# Altium PCB LM-003.PcbDoc (part 2 of 2)
Units mm, origin at the board's own origin, x right, y up, seen from the top; angles counter-clockwise.
Board outline 77.62 x 215.9 mm, 4 copper layers (Top Layer, +5V, Mid-Layer 2, Bottom Layer), stack 0.778 mm thick; 180 components, 143 nets, 700 pads, 27 vias.
Unrouted connection lines stored in the file: 179.
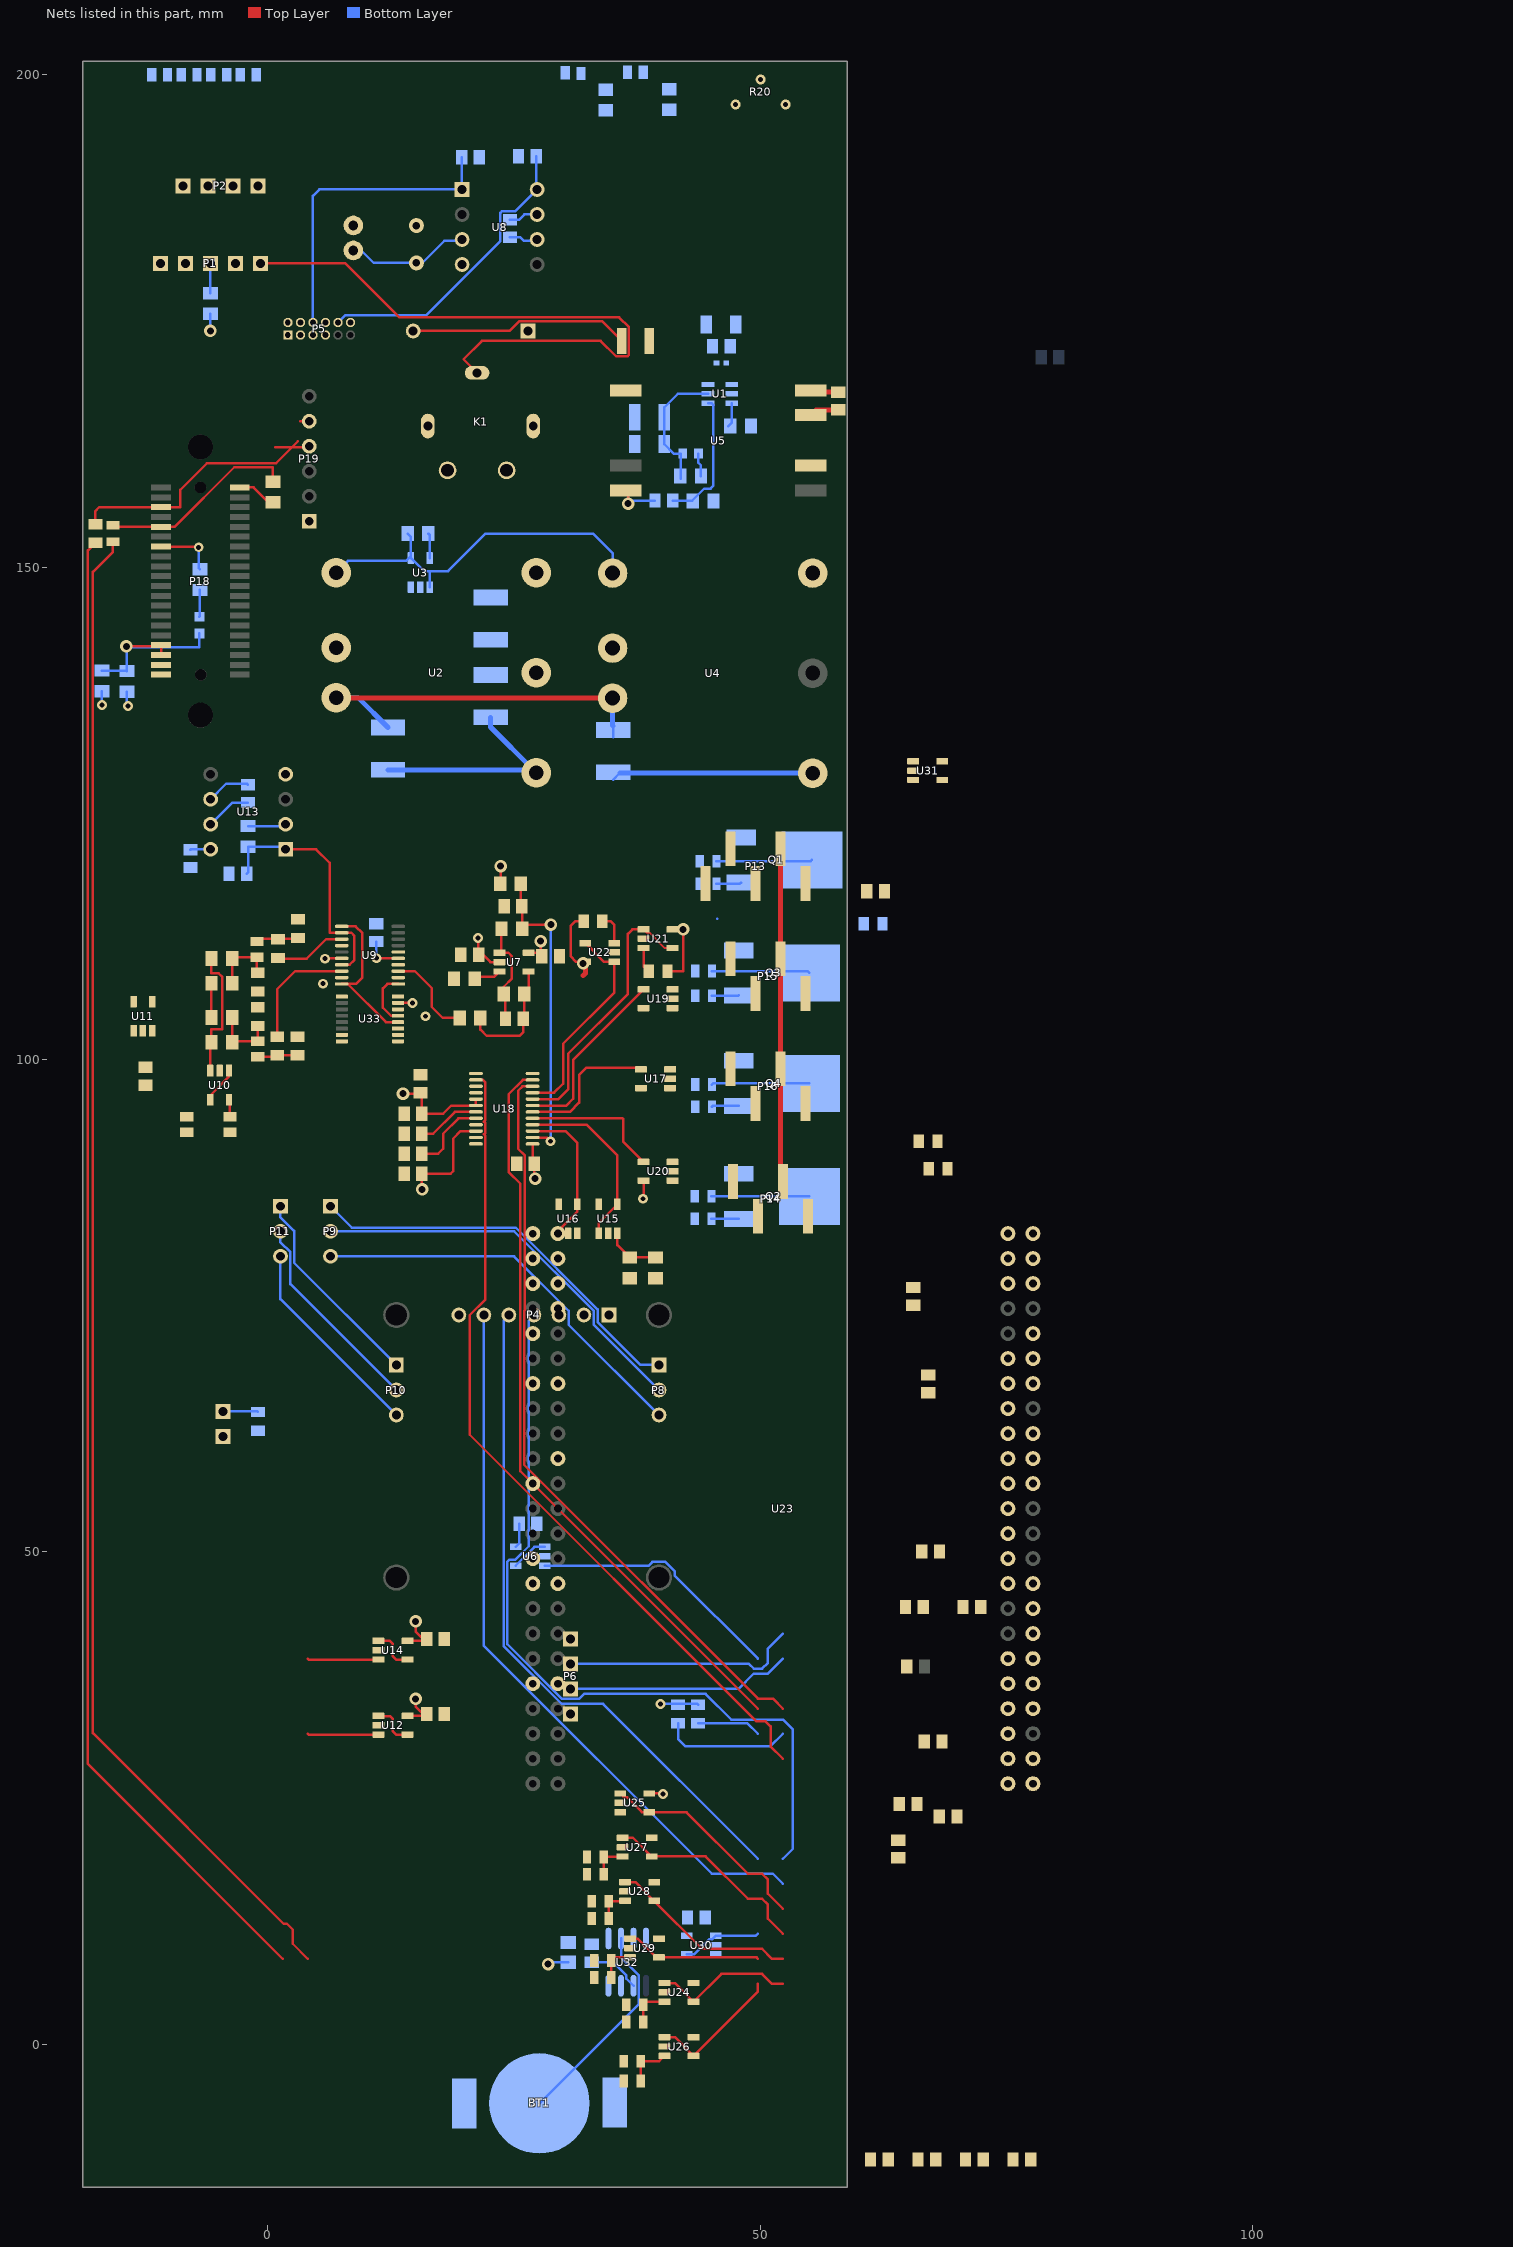
[diagram p3: the nets of this part, all layers, seen from the top]

## Part data (continued)
R9: library part CMP-1013-00017-1, Manufacturer="Vishay Dale", Manufacturer Part Number=CRCW0805300KFKEA, Operating Temperature="-55°C ~ 155°C", Package / Case="0805 (2012 Metric)", Power (Watts)="0.125W, 1/8W", Resistance (Ohms)=300k, Supplier Device Package=0805, Supplier Part Number 1=541-300KCDKR-ND, Temperature Coefficient=±100ppm/°C, Tolerance=±1%, Category=Resistors, ComponentLink1Description=http://www.vishay.com/docs/20035/dcrcwe3.pdf, ComponentLink1URL=http://www.vishay.com/docs/20035/dcrcwe3.pdf, Composition="Thick Film", Failure Rate=-, Features="Automotive AEC-Q200", Height - Seated (Max)="0.020\" (0.50mm)", Packaging=Digi-Reel®, Part Status=Active, Pricing 1="1=0.1, 10=0.044, 100=0.0178, 1000=0.00802, 2500=0.00696 (USD)", RoHS="RoHS Compliant", Size / Dimension="0.079\" L x 0.049\" W (2.00mm x 1.25mm)", Stock 1=22918, Supplier 1=Digi-Key
R10: library part CMP-1013-00017-1, Manufacturer="Vishay Dale", Manufacturer Part Number=CRCW0805100KFKEAHP, Operating Temperature="-55°C ~ 155°C", Package / Case="0805 (2012 Metric)", Power (Watts)="0.5W, 1/2W", Resistance (Ohms)=100k, Supplier Device Package=0805, Supplier Part Number 1=541-100KTDKR-ND, Temperature Coefficient=±100ppm/°C, Tolerance=±1%, Category=Resistors, ComponentLink1Description=http://www.vishay.com/docs/20043/crcwhpe3.pdf, ComponentLink1URL=http://www.vishay.com/docs/20043/crcwhpe3.pdf, Composition="Thick Film", Failure Rate=-, Features="Automotive AEC-Q200, Pulse Withstanding", Height - Seated (Max)="0.020\" (0.50mm)", Packaging=Digi-Reel®, Part Status=Active, Pricing 1="1=0.28, 10=0.233, 100=0.0911, 1000=0.03812, 2500=0.03494 (USD)", RoHS="RoHS Compliant", Size / Dimension="0.079\" L x 0.049\" W (2.00mm x 1.25mm)", Stock 1=1548, Supplier 1=Digi-Key
R11: library part CMP-1013-00017-1, Manufacturer="Vishay Dale", Manufacturer Part Number=CRCW080518K2FKEA, Operating Temperature="-55°C ~ 155°C", Package / Case="0805 (2012 Metric)", Power (Watts)="0.125W, 1/8W", Resistance (Ohms)=18.2k, Supplier Device Package=0805, Supplier Part Number 1=541-18.2KCDKR-ND, Temperature Coefficient=±100ppm/°C, Tolerance=±1%, Category=Resistors, ComponentLink1Description=http://www.vishay.com/docs/20035/dcrcwe3.pdf, ComponentLink1URL=http://www.vishay.com/docs/20035/dcrcwe3.pdf, Composition="Thick Film", Failure Rate=-, Features="Automotive AEC-Q200", Height - Seated (Max)="0.020\" (0.50mm)", Packaging=Digi-Reel®, Part Status=Active, Pricing 1="1=0.1, 10=0.044, 100=0.0178, 1000=0.00802, 2500=0.00696 (USD)", RoHS="RoHS Compliant", Size / Dimension="0.079\" L x 0.049\" W (2.00mm x 1.25mm)", Stock 1=12440, Supplier 1=Digi-Key
R12: library part CMP-1013-00017-1, Manufacturer="Vishay Dale", Manufacturer Part Number=CRCW0805511KFKEA, Operating Temperature="-55°C ~ 155°C", Package / Case="0805 (2012 Metric)", Power (Watts)="0.125W, 1/8W", Resistance (Ohms)=511k, Supplier Device Package=0805, Supplier Part Number 1=541-511KCDKR-ND, Temperature Coefficient=±100ppm/°C, Tolerance=±1%, Category=Resistors, ComponentLink1Description=http://www.vishay.com/docs/20035/dcrcwe3.pdf, ComponentLink1URL=http://www.vishay.com/docs/20035/dcrcwe3.pdf, Composition="Thick Film", Failure Rate=-, Features="Automotive AEC-Q200", Height - Seated (Max)="0.020\" (0.50mm)", Packaging=Digi-Reel®, Part Status=Active, Pricing 1="1=0.1, 10=0.044, 100=0.0178, 1000=0.00802, 2500=0.00696 (USD)", RoHS="RoHS Compliant", Size / Dimension="0.079\" L x 0.049\" W (2.00mm x 1.25mm)", Stock 1=39, Supplier 1=Digi-Key
R13: library part CMP-1013-00017-1, Manufacturer="Vishay Dale", Manufacturer Part Number=CRCW080533K0FKEAHP, Operating Temperature="-55°C ~ 155°C", Package / Case="0805 (2012 Metric)", Power (Watts)="0.5W, 1/2W", Resistance (Ohms)=33k, Supplier Device Package=0805, Supplier Part Number 1=541-33.0KTDKR-ND, Temperature Coefficient=±100ppm/°C, Tolerance=±1%, Category=Resistors, ComponentLink1Description=http://www.vishay.com/docs/20043/crcwhpe3.pdf, ComponentLink1URL=http://www.vishay.com/docs/20043/crcwhpe3.pdf, Composition="Thick Film", Failure Rate=-, Features="Automotive AEC-Q200, Pulse Withstanding", Height - Seated (Max)="0.020\" (0.50mm)", Packaging=Digi-Reel®, Part Status=Active, Pricing 1="1=0.28, 10=0.233, 100=0.0911, 1000=0.03812, 2500=0.03494 (USD)", RoHS="RoHS Compliant", Size / Dimension="0.079\" L x 0.049\" W (2.00mm x 1.25mm)", Stock 1=4835, Supplier 1=Digi-Key
R14: library part CMP-1013-00393-1
R15 R23: library part CMP-1013-00606-1, Manufacturer="Vishay Dale", Manufacturer Part Number=CRCW08053K90JNEA, Operating Temperature="-55°C ~ 155°C", Package / Case="0805 (2012 Metric)", Power (Watts)="0.125W, 1/8W", Resistance (Ohms)=3.9k, Supplier Device Package=0805, Supplier Part Number 1=541-3.9KADKR-ND, Temperature Coefficient=±200ppm/°C, Tolerance=±5%, Category=Resistors, ComponentLink1Description=http://www.vishay.com/docs/20035/dcrcwe3.pdf, ComponentLink1URL=http://www.vishay.com/docs/20035/dcrcwe3.pdf, Composition="Thick Film", Failure Rate=-, Features="Automotive AEC-Q200", Height - Seated (Max)="0.020\" (0.50mm)", Packaging=Digi-Reel®, Part Status=Active, Pricing 1="1=0.1, 10=0.028, 100=0.0114, 1000=0.00513, 2500=0.00445 (USD)", RoHS="RoHS Compliant", Size / Dimension="0.079\" L x 0.049\" W (2.00mm x 1.25mm)", Stock 1=20963, Supplier 1=Digi-Key
R16 R22: library part CMP-1013-00606-1, Manufacturer="Vishay Dale", Manufacturer Part Number=CRCW08057K50FKEA, Operating Temperature="-55°C ~ 155°C", Package / Case="0805 (2012 Metric)", Power (Watts)="0.125W, 1/8W", Resistance (Ohms)=7.5k, Supplier Device Package=0805, Supplier Part Number 1=541-7.50KCDKR-ND, Temperature Coefficient=±100ppm/°C, Tolerance=±1%, Category=Resistors, ComponentLink1Description=http://www.vishay.com/docs/20035/dcrcwe3.pdf, ComponentLink1URL=http://www.vishay.com/docs/20035/dcrcwe3.pdf, Composition="Thick Film", Failure Rate=-, Features="Automotive AEC-Q200", Height - Seated (Max)="0.020\" (0.50mm)", Packaging=Digi-Reel®, Part Status=Active, Pricing 1="1=0.1, 10=0.044, 100=0.0178, 1000=0.00802, 2500=0.00696 (USD)", RoHS="RoHS Compliant", Size / Dimension="0.079\" L x 0.049\" W (2.00mm x 1.25mm)", Stock 1=0, Supplier 1=Digi-Key
R17 R25 R28: library part CMP-1013-00017-1, Manufacturer="Vishay Dale", Manufacturer Part Number=CRCW08050000Z0EA, Operating Temperature="-55°C ~ 155°C", Package / Case="0805 (2012 Metric)", Power (Watts)="0.125W, 1/8W", Resistance (Ohms)=0.0, Supplier Device Package=0805, Supplier Part Number 1=541-0.0ADKR-ND, Temperature Coefficient=-, Tolerance=Jumper, Category=Resistors, ComponentLink1Description=http://www.vishay.com/docs/20035/dcrcwe3.pdf, ComponentLink1URL=http://www.vishay.com/docs/20035/dcrcwe3.pdf, Composition="Thick Film", Failure Rate=-, Features="Automotive AEC-Q200", Height - Seated (Max)="0.020\" (0.50mm)", Packaging=Digi-Reel®, Part Status=Active, Pricing 1="1=0.1, 10=0.026, 25=0.0184, 50=0.014, 100=0.0104, 250=0.00792, 500=0.00634, 1000=0.00466 (USD)", RoHS="RoHS Compliant", Size / Dimension="0.079\" L x 0.049\" W (2.00mm x 1.25mm)", Stock 1=407603, Supplier 1=Digi-Key
R20: library part Trimmer, Manufacturer="Vishay Foil Resistors (Division of Vishay Precision Group)", Manufacturer Part Number=Y00535K00000J0L, Power (Watts)="0.25W, 1/4W", Resistance (Ohms)=5k, Resistive Material="Metal Foil", Supplier Part Number 1=804-1020-ND, Temperature Coefficient=±10ppm/°C, Tolerance=±5%, Adjustment Type="Side Adjustment", Category="Potentiometers, Variable Resistors", ComponentLink1Description=http://www.vishaypg.com/docs/63053/1240.pdf, ComponentLink1URL=http://www.vishaypg.com/docs/63053/1240.pdf, Mounting Type="Through Hole", Number of Turns=21, Packaging=Bulk, Part Status=Active, Pricing 1="1=34.42, 10=32.265, 25=26.5292, 50=22.944, 100=22.227, 250=20.793, 500=19.2156 (USD)", RoHS="RoHS Compliant", Size / Dimension="Rectangular - 0.250\" x 0.175\" Face x 0.250\" L (6.35mm x 4.45mm x 6.35mm)", Stock 1=679, Supplier 1=Digi-Key, Termination Style="PC Pins"
R21 R24: library part CMP-1013-00017-1, Manufacturer="Vishay Dale", Manufacturer Part Number=CRCW08050000Z0EA, Operating Temperature="-55°C ~ 155°C", Package / Case="0805 (2012 Metric)", Power (Watts)="0.125W, 1/8W", Resistance (Ohms)=DNP, Supplier Device Package=0805, Supplier Part Number 1=541-0.0ADKR-ND, Temperature Coefficient=-, Tolerance=Jumper, Category=Resistors, ComponentLink1Description=http://www.vishay.com/docs/20035/dcrcwe3.pdf, ComponentLink1URL=http://www.vishay.com/docs/20035/dcrcwe3.pdf, Composition="Thick Film", Failure Rate=-, Features="Automotive AEC-Q200", Height - Seated (Max)="0.020\" (0.50mm)", Packaging=Digi-Reel®, Part Status=Active, Pricing 1="1=0.1, 10=0.026, 25=0.0184, 50=0.014, 100=0.0104, 250=0.00792, 500=0.00634, 1000=0.00466 (USD)", RoHS="RoHS Compliant", Size / Dimension="0.079\" L x 0.049\" W (2.00mm x 1.25mm)", Stock 1=407603, Supplier 1=Digi-Key
R26 R27: library part CMP-1013-00606-1, Manufacturer="Vishay Dale", Manufacturer Part Number=CRCW08051M00FKEA, Operating Temperature="-55°C ~ 155°C", Package / Case="0805 (2012 Metric)", Power (Watts)="0.125W, 1/8W", Resistance (Ohms)=1M, Supplier Device Package=0805, Supplier Part Number 1=541-1.00MCDKR-ND, Temperature Coefficient=±100ppm/°C, Tolerance=±1%, Category=Resistors, ComponentLink1Description=http://www.vishay.com/docs/20035/dcrcwe3.pdf, ComponentLink1URL=http://www.vishay.com/docs/20035/dcrcwe3.pdf, Composition="Thick Film", Failure Rate=-, Features="Automotive AEC-Q200", Height - Seated (Max)="0.020\" (0.50mm)", Packaging=Digi-Reel®, Part Status=Active, Pricing 1="1=0.1, 10=0.044, 100=0.0178, 1000=0.00802, 2500=0.00696 (USD)", RoHS="RoHS Compliant", Size / Dimension="0.079\" L x 0.049\" W (2.00mm x 1.25mm)", Stock 1=44065, Supplier 1=Digi-Key
R30: library part CMP-1013-00017-1, Manufacturer="Vishay Dale", Manufacturer Part Number=CRCW08051K00FKTA, Operating Temperature="-55°C ~ 155°C", Package / Case="0805 (2012 Metric)", Power (Watts)="0.125W, 1/8W", Resistance (Ohms)=1k, Supplier Device Package=0805, Supplier Part Number 1=541-1.00KAWDKR-ND, Temperature Coefficient=±100ppm/°C, Tolerance=±1%, Category=Resistors, ComponentLink1Description=http://www.vishay.com/docs/20008/dcrcw.pdf, ComponentLink1URL=http://www.vishay.com/docs/20008/dcrcw.pdf, Composition="Thick Film", Failure Rate=-, Features="Automotive AEC-Q200", Height - Seated (Max)="0.020\" (0.50mm)", Packaging=Digi-Reel®, Part Status=Active, Pricing 1="1=0.14, 10=0.129, 100=0.0496, 1000=0.02183, 2500=0.01885 (USD)", RoHS="RoHS non-compliant", Size / Dimension="0.079\" L x 0.049\" W (2.00mm x 1.25mm)", Stock 1=57884, Supplier 1=Digi-Key
R31 R32: library part CMP-1013-00574-1, Manufacturer="Vishay Dale", Manufacturer Part Number=CRCW08054K70FKEA, Operating Temperature="-55°C ~ 155°C", Package / Case="0805 (2012 Metric)", Power (Watts)="0.125W, 1/8W", Resistance (Ohms)=4.7k, Supplier Device Package=0805, Supplier Part Number 1=541-4.70KCDKR-ND, Temperature Coefficient=±100ppm/°C, Tolerance=±1%, Category=Resistors, ComponentLink1Description=http://www.vishay.com/docs/20035/dcrcwe3.pdf, ComponentLink1URL=http://www.vishay.com/docs/20035/dcrcwe3.pdf, Composition="Thick Film", Failure Rate=-, Features="Automotive AEC-Q200", Height - Seated (Max)="0.020\" (0.50mm)", Packaging=Digi-Reel®, Part Status=Active, Pricing 1="1=0.1, 10=0.044, 100=0.0178, 1000=0.00802, 2500=0.00696 (USD)", RoHS="RoHS Compliant", Size / Dimension="0.079\" L x 0.049\" W (2.00mm x 1.25mm)", Stock 1=0, Supplier 1=Digi-Key
R33 R34 R35 R37 R41 R44: library part CMP-1013-00606-1, "6K98 0.125W 1% 0805 (2012 Metric)  SMD", Manufacturer="Vishay Dale", Manufacturer Part Number=CRCW08056K98FKEA, Operating Temperature="-55°C ~ 155°C", Package / Case="0805 (2012 Metric)", Power (Watts)="0.125W, 1/8W", Resistance (Ohms)=6.98k, Supplier Device Package=0805, Supplier Part Number 1=541-6.98KCCT-ND, Temperature Coefficient=±100ppm/°C, Tolerance=±1%, Category=Resistors, ComponentLink1Description=http://www.vishay.com/docs/20035/dcrcwe3.pdf, ComponentLink1URL=http://www.vishay.com/docs/20035/dcrcwe3.pdf, Composition="Thick Film", Failure Rate=-, Features="Automotive AEC-Q200", Height - Seated (Max)="0.020\" (0.50mm)", Packaging="Cut Tape (CT)", Part Status=Active, Pricing 1="1=0.1, 10=0.044, 100=0.0178, 1000=0.00802, 2500=0.00696 (USD)", RoHS="RoHS Compliant", Size / Dimension="0.079\" L x 0.049\" W (2.00mm x 1.25mm)", Stock 1=34245, Supplier 1=Digi-Key
R36 R38 R42 R45: library part CMP-1013-00393-1, Manufacturer="Vishay Dale", Manufacturer Part Number=CRCW08054K99FKEA, Operating Temperature="-55°C ~ 155°C", Package / Case="0805 (2012 Metric)", Power (Watts)="0.125W, 1/8W", Resistance (Ohms)=4.99k, Supplier Device Package=0805, Supplier Part Number 1=541-4.99KCCT-ND, Temperature Coefficient=±100ppm/°C, Tolerance=±1%, Category=Resistors, ComponentLink1Description=http://www.vishay.com/docs/20035/dcrcwe3.pdf, ComponentLink1URL=http://www.vishay.com/docs/20035/dcrcwe3.pdf, Composition="Thick Film", Failure Rate=-, Features="Automotive AEC-Q200", Height - Seated (Max)="0.020\" (0.50mm)", Packaging="Cut Tape (CT)", Part Status=Active, Pricing 1="1=0.1, 10=0.044, 100=0.0178, 1000=0.00802, 2500=0.00696 (USD)", RoHS="RoHS Compliant", Size / Dimension="0.079\" L x 0.049\" W (2.00mm x 1.25mm)", Stock 1=93740, Supplier 1=Digi-Key
R39 R40 R43 R46: library part CMP-1013-00393-1, Manufacturer="Vishay Dale", Manufacturer Part Number=CRCW080575R0FKEA, Operating Temperature="-55°C ~ 155°C", Package / Case="0805 (2012 Metric)", Power (Watts)="0.125W, 1/8W", Resistance (Ohms)=75, Supplier Device Package=0805, Supplier Part Number 1=541-75.0CCT-ND, Temperature Coefficient=±100ppm/°C, Tolerance=±1%, Category=Resistors, ComponentLink1Description=http://www.vishay.com/docs/20035/dcrcwe3.pdf, ComponentLink1URL=http://www.vishay.com/docs/20035/dcrcwe3.pdf, Composition="Thick Film", Failure Rate=-, Features="Automotive AEC-Q200", Height - Seated (Max)="0.020\" (0.50mm)", Packaging="Cut Tape (CT)", Part Status=Active, Pricing 1="1=0.1, 10=0.044, 100=0.0178, 1000=0.00802, 2500=0.00696 (USD)", RoHS="RoHS Compliant", Size / Dimension="0.079\" L x 0.049\" W (2.00mm x 1.25mm)", Stock 1=32546, Supplier 1=Digi-Key
R50 R52 R53 R56 R57: library part CMP-1013-00393-1, Manufacturer="Vishay Dale", Manufacturer Part Number=CRCW080510K0FKTA, Operating Temperature="-55°C ~ 155°C", Package / Case="0805 (2012 Metric)", Power (Watts)="0.125W, 1/8W", Resistance (Ohms)=10k, Supplier Device Package=0805, Supplier Part Number 1=541-3016-6-ND, Temperature Coefficient=±100ppm/°C, Tolerance=±1%, Category=Resistors, ComponentLink1Description=http://www.vishay.com/docs/20008/dcrcw.pdf, ComponentLink1URL=http://www.vishay.com/docs/20008/dcrcw.pdf, Composition="Thick Film", Failure Rate=-, Features="Automotive AEC-Q200", Height - Seated (Max)="0.020\" (0.50mm)", Packaging=Digi-Reel®, Part Status=Active, Pricing 1="1=0.14, 10=0.129, 100=0.0496, 1000=0.02183, 2500=0.01885 (USD)", RoHS="RoHS non-compliant", Size / Dimension="0.079\" L x 0.049\" W (2.00mm x 1.25mm)", Stock 1=4898, Supplier 1=Digi-Key
R51 R54 R55: library part CMP-1013-00393-1, Manufacturer="Vishay Dale", Manufacturer Part Number=CRCW08051K00FKEA, Operating Temperature="-55°C ~ 155°C", Package / Case="0805 (2012 Metric)", Power (Watts)="0.125W, 1/8W", Resistance (Ohms)=1k, Supplier Device Package=0805, Supplier Part Number 1=541-1.00KCDKR-ND, Temperature Coefficient=±100ppm/°C, Tolerance=±1%, Category=Resistors, ComponentLink1Description=http://www.vishay.com/docs/20035/dcrcwe3.pdf, ComponentLink1URL=http://www.vishay.com/docs/20035/dcrcwe3.pdf, Composition="Thick Film", Failure Rate=-, Features="Automotive AEC-Q200", Height - Seated (Max)="0.020\" (0.50mm)", Packaging=Digi-Reel®, Part Status=Active, Pricing 1="1=0.1, 10=0.044, 100=0.0178, 1000=0.00802, 2500=0.00696 (USD)", RoHS="RoHS Compliant", Size / Dimension="0.079\" L x 0.049\" W (2.00mm x 1.25mm)", Stock 1=34392, Supplier 1=Digi-Key
R58: library part CMP-1013-00393-1, Manufacturer="Vishay Dale", Manufacturer Part Number=CRCW08053K00FKEAHP, Operating Temperature="-55°C ~ 155°C", Package / Case="0805 (2012 Metric)", Power (Watts)="0.5W, 1/2W", Resistance (Ohms)=3k, Supplier Device Package=0805, Supplier Part Number 1=541-3.00KTDKR-ND, Temperature Coefficient=±100ppm/°C, Tolerance=±1%, Category=Resistors, ComponentLink1Description=http://www.vishay.com/docs/20043/crcwhpe3.pdf, ComponentLink1URL=http://www.vishay.com/docs/20043/crcwhpe3.pdf, Composition="Thick Film", Failure Rate=-, Features="Automotive AEC-Q200, Pulse Withstanding", Height - Seated (Max)="0.020\" (0.50mm)", Packaging=Digi-Reel®, Part Status=Active, Pricing 1="1=0.28, 10=0.233, 100=0.0911, 1000=0.03812, 2500=0.03494 (USD)", RoHS="RoHS Compliant", Size / Dimension="0.079\" L x 0.049\" W (2.00mm x 1.25mm)", Stock 1=4756, Supplier 1=Digi-Key
R59: library part CMP-1013-00393-1, Manufacturer="Vishay Dale", Manufacturer Part Number=CRCW08054K99FKTA, Operating Temperature="-55°C ~ 155°C", Package / Case="0805 (2012 Metric)", Power (Watts)="0.125W, 1/8W", Resistance (Ohms)=4.99k, Supplier Device Package=0805, Supplier Part Number 1=541-3030-6-ND, Temperature Coefficient=±100ppm/°C, Tolerance=±1%, Category=Resistors, ComponentLink1Description=http://www.vishay.com/docs/20008/dcrcw.pdf, ComponentLink1URL=http://www.vishay.com/docs/20008/dcrcw.pdf, Composition="Thick Film", Failure Rate=-, Features="Automotive AEC-Q200", Height - Seated (Max)="0.020\" (0.50mm)", Packaging=Digi-Reel®, Part Status=Active, Pricing 1="1=0.14, 10=0.129, 100=0.0496, 1000=0.02183, 2500=0.01885 (USD)", RoHS="RoHS non-compliant", Size / Dimension="0.079\" L x 0.049\" W (2.00mm x 1.25mm)", Stock 1=14290, Supplier 1=Digi-Key
R60: library part CMP-1013-00017-1, Case/Package=0805, Case Code (Metric)=2012, Manufacturer=Vishay, Manufacturer Part Number=CRCW08050000Z0EA, Max Operating Temperature=155°C, Max Power Dissipation=125mW, Min Operating Temperature=-55°C, Package Quantity=1, Resistance=0, Supplier Part Number 1=541-0.0ADKR-ND, Temperature Coefficient=100ppm/°C, Tolerance=1%, Voltage Rating=150V, Case Code (Imperial)=0805, ComponentLink1Description=https://datasheet.ciiva.com/16883/dcrcwe3-16883622.pdf, ComponentLink1URL=https://datasheet.ciiva.com/16883/dcrcwe3-16883622.pdf, ComponentLink2Description=https://datasheet.ciiva.com/26314/fld-crcw-e3-data-en-26314630.pdf, ComponentLink2URL=https://datasheet.ciiva.com/26314/fld-crcw-e3-data-en-26314630.pdf, ComponentLink3Description=https://datasheet.ciiva.com/5543/dcrcwe3-109170-5543096.pdf, ComponentLink3URL=https://datasheet.ciiva.com/5543/dcrcwe3-109170-5543096.pdf, ComponentLink4Description=https://datasheet.ciiva.com/11811/0900766b80d98b26-11811304.pdf, ComponentLink4URL=https://datasheet.ciiva.com/11811/0900766b80d98b26-11811304.pdf, ComponentLink5Description=https://datasheet.ciiva.com/16389/dcrcwe3-16389338.pdf, ComponentLink5URL=https://datasheet.ciiva.com/16389/dcrcwe3-16389338.pdf, ComponentLink6Description=https://datasheet.ciiva.com/16719/70201119-16719706.pdf, ComponentLink6URL=https://datasheet.ciiva.com/16719/70201119-16719706.pdf, ComponentLink7Description=https://datasheet.ciiva.com/2463/dcrcwe3-2463037.pdf, ComponentLink7URL=https://datasheet.ciiva.com/2463/dcrcwe3-2463037.pdf, ComponentLink8Description=https://datasheet.ciiva.com/7841/1697337-7841629.pdf, ComponentLink8URL=https://datasheet.ciiva.com/7841/1697337-7841629.pdf, ComponentLink9Description=https://datasheet.ciiva.com/2463/dcrcwe3-2463038.pdf, ComponentLink9URL=https://datasheet.ciiva.com/2463/dcrcwe3-2463038.pdf, ComponentLink10Description=https://datasheet.ciiva.com/2463/dcrcwe3-2463039.pdf, ComponentLink10URL=https://datasheet.ciiva.com/2463/dcrcwe3-2463039.pdf, ComponentLink11Description=https://datasheet.ciiva.com/7841/1720486-7841839.pdf, ComponentLink11URL=https://datasheet.ciiva.com/7841/1720486-7841839.pdf, Composition="Thick Film", Contact Plating=Tin,Lead, Depth=1.25mm, Height=0.45mm, Lead Free="Lead Free", Length=2mm, Military Standard=Not, Number of Terminations=2, Packaging="Tape and Reel", Power Rating=125mW, Pricing 1="1=0.1, 10=0.026, 25=0.0184, 50=0.014, 100=0.0104, 250=0.0079, 500=0.0063, 1000=0.0047 (USD)", Radiation Hardening=No, REACH SVHC=Unknown, Stock 1=415251, Supplier 1=Digi-Key, Termination=SMD/SMT, Voltage Rating (DC)=150V, Weight=0.000194oz, Width=1.25mm
R61: library part CMP-1013-00017-1, "RES SMD 0.0 OHM JUMPER 1/8W 0805", Case/Package=0805, Case Code (Metric)=2012, Manufacturer=Vishay, Manufacturer Part Number=CRCW08050000Z0EA, Max Operating Temperature=155°C, Max Power Dissipation=125mW, Min Operating Temperature=-55°C, Package Quantity=1, Resistance=0, Supplier Part Number 1=541-0.0ADKR-ND, Temperature Coefficient=100ppm/°C, Tolerance=1%, Voltage Rating=150V, Case Code (Imperial)=0805, ComponentLink1Description=https://datasheet.ciiva.com/16883/dcrcwe3-16883622.pdf, ComponentLink1URL=https://datasheet.ciiva.com/16883/dcrcwe3-16883622.pdf, ComponentLink2Description=https://datasheet.ciiva.com/26314/fld-crcw-e3-data-en-26314630.pdf, ComponentLink2URL=https://datasheet.ciiva.com/26314/fld-crcw-e3-data-en-26314630.pdf, ComponentLink3Description=https://datasheet.ciiva.com/5543/dcrcwe3-109170-5543096.pdf, ComponentLink3URL=https://datasheet.ciiva.com/5543/dcrcwe3-109170-5543096.pdf, ComponentLink4Description=https://datasheet.ciiva.com/11811/0900766b80d98b26-11811304.pdf, ComponentLink4URL=https://datasheet.ciiva.com/11811/0900766b80d98b26-11811304.pdf, ComponentLink5Description=https://datasheet.ciiva.com/16389/dcrcwe3-16389338.pdf, ComponentLink5URL=https://datasheet.ciiva.com/16389/dcrcwe3-16389338.pdf, ComponentLink6Description=https://datasheet.ciiva.com/16719/70201119-16719706.pdf, ComponentLink6URL=https://datasheet.ciiva.com/16719/70201119-16719706.pdf, ComponentLink7Description=https://datasheet.ciiva.com/2463/dcrcwe3-2463037.pdf, ComponentLink7URL=https://datasheet.ciiva.com/2463/dcrcwe3-2463037.pdf, ComponentLink8Description=https://datasheet.ciiva.com/7841/1697337-7841629.pdf, ComponentLink8URL=https://datasheet.ciiva.com/7841/1697337-7841629.pdf, ComponentLink9Description=https://datasheet.ciiva.com/2463/dcrcwe3-2463038.pdf, ComponentLink9URL=https://datasheet.ciiva.com/2463/dcrcwe3-2463038.pdf, ComponentLink10Description=https://datasheet.ciiva.com/2463/dcrcwe3-2463039.pdf, ComponentLink10URL=https://datasheet.ciiva.com/2463/dcrcwe3-2463039.pdf, ComponentLink11Description=https://datasheet.ciiva.com/7841/1720486-7841839.pdf, ComponentLink11URL=https://datasheet.ciiva.com/7841/1720486-7841839.pdf, Composition="Thick Film", Contact Plating=Tin,Lead, Depth=1.25mm, Height=0.45mm, Lead Free="Lead Free", Length=2mm, Military Standard=Not, Number of Terminations=2, Packaging="Tape and Reel", Power Rating=125mW, Pricing 1="1=0.1, 10=0.026, 25=0.0184, 50=0.014, 100=0.0104, 250=0.0079, 500=0.0063, 1000=0.0047 (USD)", Radiation Hardening=No, REACH SVHC=Unknown, Stock 1=415251, Supplier 1=Digi-Key, Termination=SMD/SMT, Voltage Rating (DC)=150V, Weight=0.000194oz, Width=1.25mm
R62: library part CMP-1013-00017-1, Manufacturer="Vishay Dale", Manufacturer Part Number=CRCW0805383RFKEA, Operating Temperature="-55°C ~ 155°C", Package / Case="0805 (2012 Metric)", Power (Watts)="0.125W, 1/8W", Resistance (Ohms)=383, Supplier Device Package=0805, Supplier Part Number 1=541-383CDKR-ND, Temperature Coefficient=±100ppm/°C, Tolerance=±1%, Category=Resistors, ComponentLink1Description=http://www.vishay.com/docs/20035/dcrcwe3.pdf, ComponentLink1URL=http://www.vishay.com/docs/20035/dcrcwe3.pdf, Composition="Thick Film", Failure Rate=-, Features="Automotive AEC-Q200", Height - Seated (Max)="0.020\" (0.50mm)", Packaging=Digi-Reel®, Part Status=Active, Pricing 1="1=0.1, 10=0.044, 100=0.0178, 1000=0.00802, 2500=0.00696 (USD)", RoHS="RoHS Compliant", Size / Dimension="0.079\" L x 0.049\" W (2.00mm x 1.25mm)", Stock 1=21887, Supplier 1=Digi-Key
R63: library part CMP-1013-00017-1, "RES SMD 1K OHM 1% 1/2W 0805", Manufacturer="Vishay Dale", Manufacturer Part Number=CRCW08051K00FKEAHP, Operating Temperature="-55°C ~ 155°C", Package / Case="0805 (2012 Metric)", Power (Watts)="0.5W, 1/2W", Resistance (Ohms)=1k, Supplier Device Package=0805, Supplier Part Number 1=541-1.00KTDKR-ND, Temperature Coefficient=±100ppm/°C, Tolerance=±1%, Category=Resistors, ComponentLink1Description=http://www.vishay.com/docs/20043/crcwhpe3.pdf, ComponentLink1URL=http://www.vishay.com/docs/20043/crcwhpe3.pdf, Composition="Thick Film", Failure Rate=-, Features="Automotive AEC-Q200, Pulse Withstanding", Height - Seated (Max)="0.020\" (0.50mm)", Packaging=Digi-Reel®, Part Status=Active, Pricing 1="1=0.28, 10=0.233, 100=0.0911, 1000=0.03812, 2500=0.03494 (USD)", RoHS="RoHS Compliant", Size / Dimension="0.079\" L x 0.049\" W (2.00mm x 1.25mm)", Stock 1=64012, Supplier 1=Digi-Key
R64 R65: library part CMP-1013-00393-1, Manufacturer="Vishay Dale", Manufacturer Part Number=CRCW0805100RFKEA, Operating Temperature="-55°C ~ 155°C", Package / Case="0805 (2012 Metric)", Power (Watts)="0.125W, 1/8W", Resistance (Ohms)=100, Supplier Device Package=0805, Supplier Part Number 1=541-100CDKR-ND, Temperature Coefficient=±100ppm/°C, Tolerance=±1%, Category=Resistors, ComponentLink1Description=http://www.vishay.com/docs/20035/dcrcwe3.pdf, ComponentLink1URL=http://www.vishay.com/docs/20035/dcrcwe3.pdf, Composition="Thick Film", Failure Rate=-, Features="Automotive AEC-Q200", Height - Seated (Max)="0.020\" (0.50mm)", Packaging=Digi-Reel®, Part Status=Active, Pricing 1="1=0.1, 10=0.044, 100=0.0178, 1000=0.00802, 2500=0.00696 (USD)", RoHS="RoHS Compliant", Size / Dimension="0.079\" L x 0.049\" W (2.00mm x 1.25mm)", Stock 1=281212, Supplier 1=Digi-Key
U1: library part CMP-0491-01698-1, "IC REG BOOST ADJ 0.3A TSOT23-6", Current - Output="300mA (Switch)", Frequency - Switching=3MHz, Manufacturer 1="Linear Technology", Manufacturer Part Number 1=LT3461AES6#TRMPBF, Operating Temperature="0°C ~ 70°C (TA)", Package / Case="SOT-23-6 Thin, TSOT-23-6", Supplier Device Package=TSOT-23-6, Supplier Part Number 1=LT3461AES6#TRMPBFCT-ND, Voltage - Input (Max)=16V, Voltage - Input (Min)=2.5V, Voltage - Output (Max)=38V, Voltage - Output (Min/Fixed)=1.255V, Category 1="Integrated Circuits (ICs)", ComponentLink1Description=http://www.linear.com/docs/3469, ComponentLink1URL=http://www.linear.com/docs/3469, Description 1="IC REG BOOST ADJ 0.3A TSOT23-6", Function=Step-Up, Mounting Type="Surface Mount", Number of Outputs=1, Output Configuration=Positive, Output Type=Adjustable, Packaging="Cut Tape (CT)", Part Status=Active, Pricing 1="1=3.94, 25=3.52, 100=2.4, 250=2.2 (USD)", RoHS 1="RoHS Compliant", Stock 1=1325, Supplier 1=Digi-Key, Synchronous Rectifier=No, Topology=Boost
U2: library part CCG302412S, "IC CONV DC-DC 15W DUAL 5V PCB", Current - Output (Max)="1.5A, 1.5A", Manufacturer 1="TDK-Lambda Americas Inc.", Operating Temperature="-40°C ~ 85°C", Package / Case="6-DIP Module", Power (Watts)=15W, Supplier Part Number 1=285-1902-ND, Voltage - Input (Max)=36V, Voltage - Input (Min)=9V, Voltage - Isolation="1.6kV (1600V)", Voltage - Output 1=5V, Voltage - Output 2=-5V, Voltage - Output 3=-, Applications="ITE (Commercial)", Category 1="Power Supplies - Board Mount", ComponentLink1Description=http://us.tdk-lambda.com/ftp/AppNotes/pxb15w-d_appnote.pdf, ComponentLink1URL=http://us.tdk-lambda.com/ftp/AppNotes/pxb15w-d_appnote.pdf, Description 1="IC CONV DC-DC 15W DUAL 5V PCB", Efficiency=85%, Features="Remote On/Off, OCP, OVP, SCP", Manufacturer Part Number 1=PXB15-24WD05/N, Mounting Type="Through Hole", Number of Outputs=2, Packaging=Tube, Part Status=Active, Pricing 1="1=61.61, 10=59.59 (USD)", RoHS 1="RoHS Compliant", Size / Dimension="1.00\" L x 1.00\" W x 0.39\" H (25.4mm x 25.4mm x 9.9mm)", Stock 1=28, Supplier 1=Digi-Key, Type="Isolated Module"